# Altium PCB PCB1.PcbDoc (part 1 of 8) (continued)
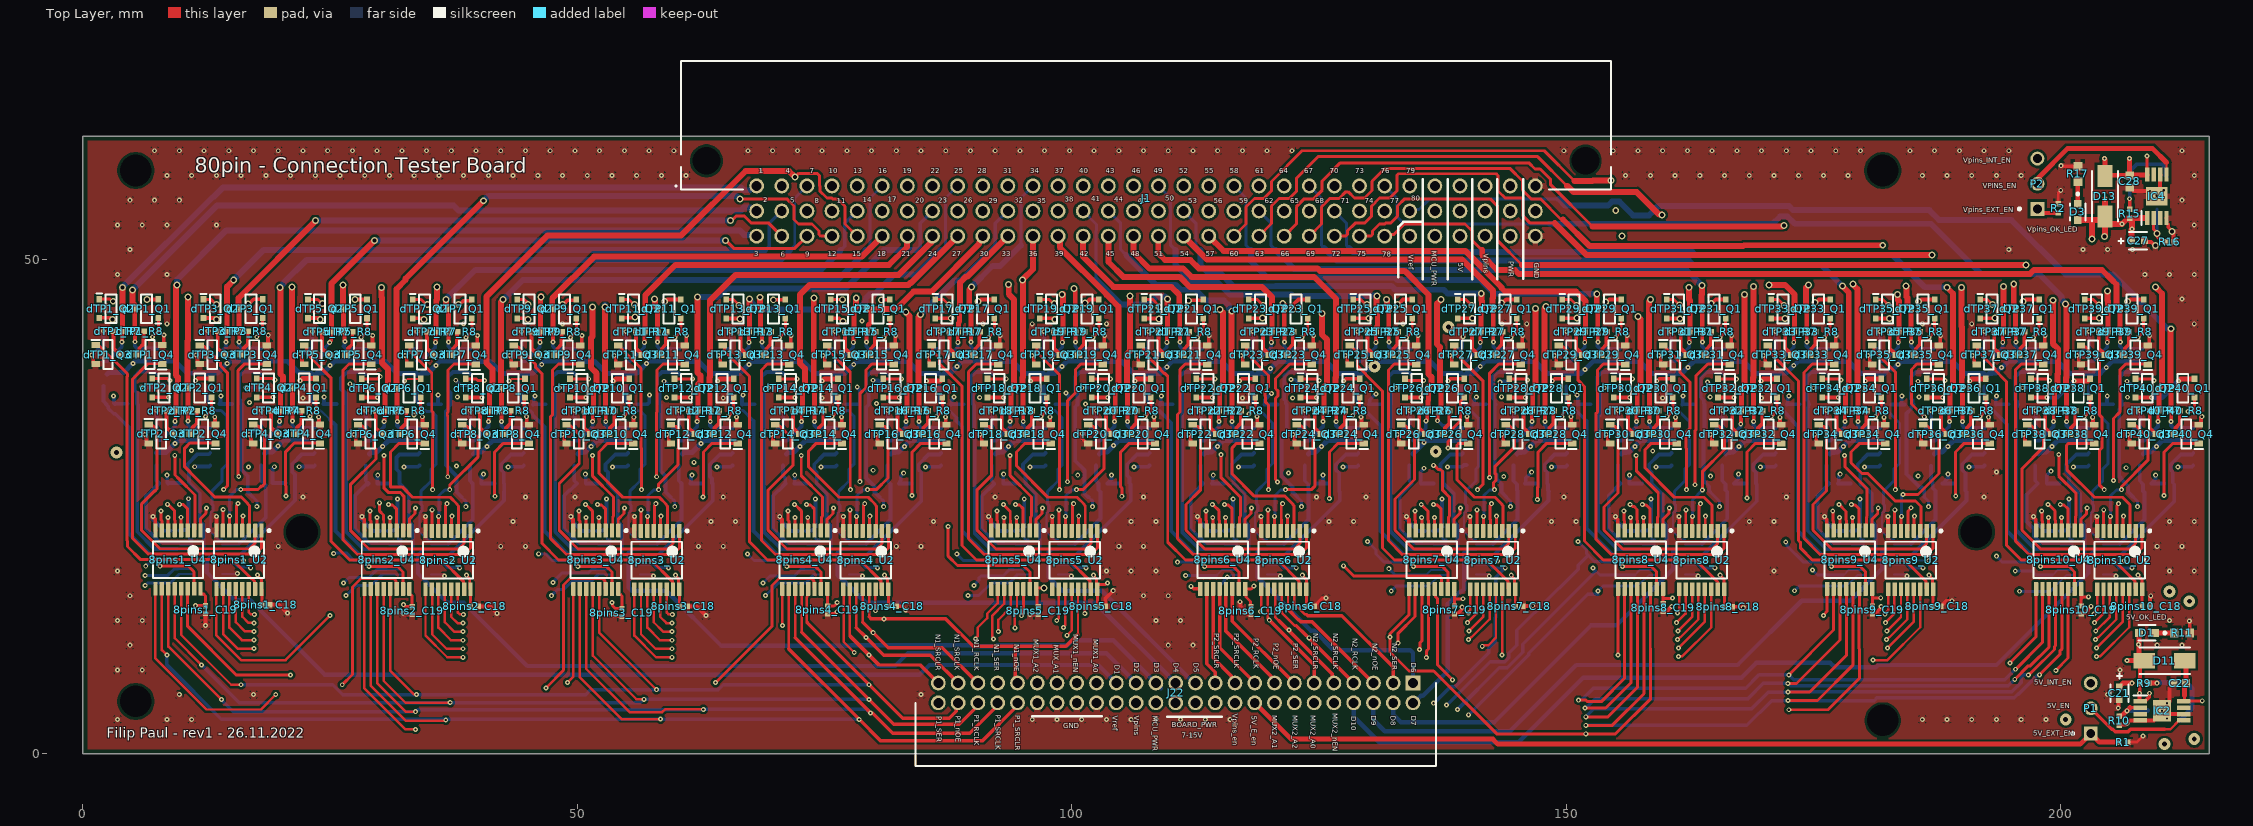
[diagram p0: Top Layer view]
## Components (designator, comment, footprint, x,y, rotation, side; value= is the part's Value field where it differs from the comment)
8pins1_C18 "100nF" "0402 CAP" 18.5,15.095 r0 top value="0.10 μF" (schematic designator C18)
8pins1_C19 "100nF" "0402 CAP" 12.4,14.595 r270 top value="0.10 μF" (schematic designator C19)
8pins1_C20 "100nF" "0402 CAP" 9.34,22.579 r0 bottom value="0.10 μF" (schematic designator C20)
8pins1_U2 "SN74AHCT595PWR" SSOT16 15.785,19.633 r270 top (schematic designator U2)
8pins1_U3 "TMUX1308QDYYRQ1" FP-DYY0016A-MFG 12.584,19.938 r180 bottom (schematic designator U3)
8pins1_U4 "SN74AHCT595PWR" SSOT16 9.613,19.662 r270 top (schematic designator U4)
8pins2_C18 "100nF" "0402 CAP" 39.598,14.94 r0 top value="0.10 μF" (schematic designator C18)
8pins2_C19 "100nF" "0402 CAP" 33.3,14.495 r270 top value="0.10 μF" (schematic designator C19)
8pins2_C20 "100nF" "0402 CAP" 30.473,22.56 r0 bottom value="0.10 μF" (schematic designator C20)
8pins2_U2 "SN74AHCT595PWR" SSOT16 36.918,19.613 r270 top (schematic designator U2)
8pins2_U3 "TMUX1308QDYYRQ1" FP-DYY0016A-MFG 33.718,19.918 r180 bottom (schematic designator U3)
8pins2_U4 "SN74AHCT595PWR" SSOT16 30.747,19.642 r270 top (schematic designator U4)
8pins3_C18 "100nF" "0402 CAP" 60.727,14.94 r0 top value="0.10 μF" (schematic designator C18)
8pins3_C19 "100nF" "0402 CAP" 54.5,14.295 r270 top value="0.10 μF" (schematic designator C19)
8pins3_C20 "100nF" "0402 CAP" 51.602,22.56 r0 bottom value="0.10 μF" (schematic designator C20)
8pins3_U2 "SN74AHCT595PWR" SSOT16 58.047,19.613 r270 top (schematic designator U2)
8pins3_U3 "TMUX1308QDYYRQ1" FP-DYY0016A-MFG 54.847,19.918 r180 bottom (schematic designator U3)
8pins3_U4 "SN74AHCT595PWR" SSOT16 51.876,19.642 r270 top (schematic designator U4)
8pins4_C18 "100nF" "0402 CAP" 81.856,14.94 r0 top value="0.10 μF" (schematic designator C18)
8pins4_C19 "100nF" "0402 CAP" 75.315,14.565 r270 top value="0.10 μF" (schematic designator C19)
8pins4_C20 "100nF" "0402 CAP" 72.731,22.56 r0 bottom value="0.10 μF" (schematic designator C20)
8pins4_U2 "SN74AHCT595PWR" SSOT16 79.176,19.613 r270 top (schematic designator U2)
8pins4_U3 "TMUX1308QDYYRQ1" FP-DYY0016A-MFG 75.976,19.918 r180 bottom (schematic designator U3)
8pins4_U4 "SN74AHCT595PWR" SSOT16 73.005,19.642 r270 top (schematic designator U4)
8pins5_C18 "100nF" "0402 CAP" 102.985,14.94 r0 top value="0.10 μF" (schematic designator C18)
8pins5_C19 "100nF" "0402 CAP" 96.6,14.495 r270 top value="0.10 μF" (schematic designator C19)
8pins5_C20 "100nF" "0402 CAP" 93.86,22.56 r0 bottom value="0.10 μF" (schematic designator C20)
8pins5_U2 "SN74AHCT595PWR" SSOT16 100.305,19.613 r270 top (schematic designator U2)
8pins5_U3 "TMUX1308QDYYRQ1" FP-DYY0016A-MFG 97.105,19.918 r180 bottom (schematic designator U3)
8pins5_U4 "SN74AHCT595PWR" SSOT16 94.134,19.642 r270 top (schematic designator U4)
8pins6_C18 "100nF" "0402 CAP" 124.114,14.94 r0 top value="0.10 μF" (schematic designator C18)
8pins6_C19 "100nF" "0402 CAP" 118.1,14.495 r270 top value="0.10 μF" (schematic designator C19)
8pins6_C20 "100nF" "0402 CAP" 114.989,22.56 r0 bottom value="0.10 μF" (schematic designator C20)
8pins6_U2 "SN74AHCT595PWR" SSOT16 121.434,19.613 r270 top (schematic designator U2)
8pins6_U3 "TMUX1308QDYYRQ1" FP-DYY0016A-MFG 118.234,19.918 r180 bottom (schematic designator U3)
8pins6_U4 "SN74AHCT595PWR" SSOT16 115.263,19.642 r270 top (schematic designator U4)
8pins7_C18 "100nF" "0402 CAP" 145.24,14.942 r0 top value="0.10 μF" (schematic designator C18)
8pins7_C19 "100nF" "0402 CAP" 138.702,14.565 r270 top value="0.10 μF" (schematic designator C19)
8pins7_C20 "100nF" "0402 CAP" 136.118,22.56 r0 bottom value="0.10 μF" (schematic designator C20)
8pins7_U2 "SN74AHCT595PWR" SSOT16 142.563,19.613 r270 top (schematic designator U2)
8pins7_U3 "TMUX1308QDYYRQ1" FP-DYY0016A-MFG 139.363,19.918 r180 bottom (schematic designator U3)
8pins7_U4 "SN74AHCT595PWR" SSOT16 136.392,19.642 r270 top (schematic designator U4)
8pins8_C18 "100nF" "0402 CAP" 166.4,14.895 r0 top value="0.10 μF" (schematic designator C18)
8pins8_C19 "100nF" "0402 CAP" 159.8,14.795 r270 top value="0.10 μF" (schematic designator C19)
8pins8_C20 "100nF" "0402 CAP" 157.247,22.56 r0 bottom value="0.10 μF" (schematic designator C20)
8pins8_U2 "SN74AHCT595PWR" SSOT16 163.692,19.613 r270 top (schematic designator U2)
8pins8_U3 "TMUX1308QDYYRQ1" FP-DYY0016A-MFG 160.492,19.918 r180 bottom (schematic designator U3)
8pins8_U4 "SN74AHCT595PWR" SSOT16 157.521,19.642 r270 top (schematic designator U4)
8pins9_C18 "100nF" "0402 CAP" 187.498,14.942 r0 top value="0.10 μF" (schematic designator C18)
8pins9_C19 "100nF" "0402 CAP" 180.96,14.565 r270 top value="0.10 μF" (schematic designator C19)
8pins9_C20 "100nF" "0402 CAP" 178.376,22.56 r0 bottom value="0.10 μF" (schematic designator C20)
8pins9_U2 "SN74AHCT595PWR" SSOT16 184.821,19.613 r270 top (schematic designator U2)
8pins9_U3 "TMUX1308QDYYRQ1" FP-DYY0016A-MFG 181.621,19.918 r180 bottom (schematic designator U3)
8pins9_U4 "SN74AHCT595PWR" SSOT16 178.65,19.642 r270 top (schematic designator U4)
8pins10_C18 "100nF" "0402 CAP" 208.63,14.94 r0 top value="0.10 μF" (schematic designator C18)
8pins10_C19 "100nF" "0402 CAP" 202.08,14.574 r270 top value="0.10 μF" (schematic designator C19)
8pins10_C20 "100nF" "0402 CAP" 199.505,22.56 r0 bottom value="0.10 μF" (schematic designator C20)
8pins10_U2 "SN74AHCT595PWR" SSOT16 205.95,19.613 r270 top (schematic designator U2)
8pins10_U3 "TMUX1308QDYYRQ1" FP-DYY0016A-MFG 202.75,19.918 r180 bottom (schematic designator U3)
8pins10_U4 "SN74AHCT595PWR" SSOT16 199.779,19.642 r270 top (schematic designator U4)
C21 "10uF" 0603_TANTAL 205.928,6.143 r90 top
C22 "1uF 25V" 0603-CAP 212.024,7.159 r180 top
C27 "10uF" 0603_TANTAL 207.818,51.896 r180 top
C28 "1uF 25V" 0603-CAP 206.968,57.896 r270 top
D1 "LED" 0603_RED_LED 208.722,12.239 r180 top
D3 "LED" 0603_RED_LED 201.718,54.821 r270 top
D11 "SSA34HE3_A_I" DIONM5127X229N 210.5,9.445 r180 top
D13 "SSA34HE3_A_I" DIONM5127X229N 204.468,56.396 r270 top
dTP1_IC1 "LM393LVQDRQ1" SOIC127P600X175-8N 4.784,39.087 r0 bottom (schematic designator IC1)
dTP1_Q1 "P-MOSFET" SOTFL95P240X88-3N 6.434,45.037 r180 top (schematic designator Q1)
dTP1_Q2 "P-MOSFET" SOTFL95P240X88-3N 2.834,45.037 r0 top (schematic designator Q2)
dTP1_Q3 "NMOS" SOT95P240X110-3N 2.534,40.387 r0 top (schematic designator Q3)
dTP1_Q4 "NMOS" SOT95P240X110-3N 6.784,40.387 r180 top (schematic designator Q4)
dTP1_R5 "2k2" RESC1005X40X25NL05T05 2.784,35.387 r180 bottom (schematic designator R5)
dTP1_R6 "2k2" RESC1005X40X25NL05T05 5.034,35.387 r0 bottom (schematic designator R6)
dTP1_R7 "470R 1%" RESC1005X40X25NL05T05 3.534,42.737 r180 top (schematic designator R7)
dTP1_R8 "470R 1%" RESC1005X40X25NL05T05 5.734,42.737 r0 top (schematic designator R8)
dTP2_IC1 "LM393LVQDRQ1" SOIC127P600X175-8N 10.159,31.066 r0 bottom (schematic designator IC1)
dTP2_Q1 "P-MOSFET" SOTFL95P240X88-3N 11.809,37.016 r180 top (schematic designator Q1)
dTP2_Q2 "P-MOSFET" SOTFL95P240X88-3N 8.209,37.016 r0 top (schematic designator Q2)
dTP2_Q3 "NMOS" SOT95P240X110-3N 7.909,32.366 r0 top (schematic designator Q3)
dTP2_Q4 "NMOS" SOT95P240X110-3N 12.159,32.366 r180 top (schematic designator Q4)
dTP2_R5 "2k2" RESC1005X40X25NL05T05 8.159,27.366 r180 bottom (schematic designator R5)
dTP2_R6 "2k2" RESC1005X40X25NL05T05 10.357,27.39 r0 bottom (schematic designator R6)
dTP2_R7 "470R 1%" RESC1005X40X25NL05T05 8.909,34.716 r180 top (schematic designator R7)
dTP2_R8 "470R 1%" RESC1005X40X25NL05T05 11.109,34.716 r0 top (schematic designator R8)
dTP3_IC1 "LM393LVQDRQ1" SOIC127P600X175-8N 15.332,39.079 r0 bottom (schematic designator IC1)
dTP3_Q1 "P-MOSFET" SOTFL95P240X88-3N 16.982,45.029 r180 top (schematic designator Q1)
dTP3_Q2 "P-MOSFET" SOTFL95P240X88-3N 13.382,45.029 r0 top (schematic designator Q2)
dTP3_Q3 "NMOS" SOT95P240X110-3N 13.082,40.379 r0 top (schematic designator Q3)
dTP3_Q4 "NMOS" SOT95P240X110-3N 17.332,40.379 r180 top (schematic designator Q4)
dTP3_R5 "2k2" RESC1005X40X25NL05T05 13.332,35.379 r180 bottom (schematic designator R5)
dTP3_R6 "2k2" RESC1005X40X25NL05T05 15.582,35.379 r0 bottom (schematic designator R6)
dTP3_R7 "470R 1%" RESC1005X40X25NL05T05 14.082,42.729 r180 top (schematic designator R7)
dTP3_R8 "470R 1%" RESC1005X40X25NL05T05 16.282,42.729 r0 top (schematic designator R8)
dTP4_IC1 "LM393LVQDRQ1" SOIC127P600X175-8N 20.726,31.066 r0 bottom (schematic designator IC1)
dTP4_Q1 "P-MOSFET" SOTFL95P240X88-3N 22.376,37.016 r180 top (schematic designator Q1)
dTP4_Q2 "P-MOSFET" SOTFL95P240X88-3N 18.776,37.016 r0 top (schematic designator Q2)
dTP4_Q3 "NMOS" SOT95P240X110-3N 18.476,32.366 r0 top (schematic designator Q3)
dTP4_Q4 "NMOS" SOT95P240X110-3N 22.726,32.366 r180 top (schematic designator Q4)
dTP4_R5 "2k2" RESC1005X40X25NL05T05 18.726,27.366 r180 bottom (schematic designator R5)
dTP4_R6 "2k2" RESC1005X40X25NL05T05 20.976,27.366 r0 bottom (schematic designator R6)
dTP4_R7 "470R 1%" RESC1005X40X25NL05T05 19.476,34.716 r180 top (schematic designator R7)
dTP4_R8 "470R 1%" RESC1005X40X25NL05T05 21.676,34.716 r0 top (schematic designator R8)
dTP5_IC1 "LM393LVQDRQ1" SOIC127P600X175-8N 25.891,39.059 r0 bottom (schematic designator IC1)
dTP5_Q1 "P-MOSFET" SOTFL95P240X88-3N 27.541,45.009 r180 top (schematic designator Q1)
dTP5_Q2 "P-MOSFET" SOTFL95P240X88-3N 23.941,45.009 r0 top (schematic designator Q2)
dTP5_Q3 "NMOS" SOT95P240X110-3N 23.641,40.359 r0 top (schematic designator Q3)
dTP5_Q4 "NMOS" SOT95P240X110-3N 27.891,40.359 r180 top (schematic designator Q4)
dTP5_R5 "2k2" RESC1005X40X25NL05T05 23.891,35.359 r180 bottom (schematic designator R5)
dTP5_R6 "2k2" RESC1005X40X25NL05T05 26.141,35.359 r0 bottom (schematic designator R6)
dTP5_R7 "470R 1%" RESC1005X40X25NL05T05 24.641,42.709 r180 top (schematic designator R7)
dTP5_R8 "470R 1%" RESC1005X40X25NL05T05 26.841,42.709 r0 top (schematic designator R8)
dTP6_IC1 "LM393LVQDRQ1" SOIC127P600X175-8N 31.319,31.04 r0 bottom (schematic designator IC1)
dTP6_Q1 "P-MOSFET" SOTFL95P240X88-3N 32.969,36.99 r180 top (schematic designator Q1)
dTP6_Q2 "P-MOSFET" SOTFL95P240X88-3N 29.369,36.99 r0 top (schematic designator Q2)
dTP6_Q3 "NMOS" SOT95P240X110-3N 29.069,32.34 r0 top (schematic designator Q3)
dTP6_Q4 "NMOS" SOT95P240X110-3N 33.319,32.34 r180 top (schematic designator Q4)
dTP6_R5 "2k2" RESC1005X40X25NL05T05 29.319,27.34 r180 bottom (schematic designator R5)
dTP6_R6 "2k2" RESC1005X40X25NL05T05 31.569,27.34 r0 bottom (schematic designator R6)
dTP6_R7 "470R 1%" RESC1005X40X25NL05T05 30.069,34.69 r180 top (schematic designator R7)
dTP6_R8 "470R 1%" RESC1005X40X25NL05T05 32.269,34.69 r0 top (schematic designator R8)
dTP7_IC1 "LM393LVQDRQ1" SOIC127P600X175-8N 36.49,39.053 r0 bottom (schematic designator IC1)
dTP7_Q1 "P-MOSFET" SOTFL95P240X88-3N 38.14,45.003 r180 top (schematic designator Q1)
dTP7_Q2 "P-MOSFET" SOTFL95P240X88-3N 34.54,45.003 r0 top (schematic designator Q2)
dTP7_Q3 "NMOS" SOT95P240X110-3N 34.24,40.353 r0 top (schematic designator Q3)
dTP7_Q4 "NMOS" SOT95P240X110-3N 38.49,40.353 r180 top (schematic designator Q4)
dTP7_R5 "2k2" RESC1005X40X25NL05T05 34.49,35.353 r180 bottom (schematic designator R5)
dTP7_R6 "2k2" RESC1005X40X25NL05T05 36.74,35.353 r0 bottom (schematic designator R6)
dTP7_R7 "470R 1%" RESC1005X40X25NL05T05 35.24,42.703 r180 top (schematic designator R7)
dTP7_R8 "470R 1%" RESC1005X40X25NL05T05 37.44,42.703 r0 top (schematic designator R8)
dTP8_IC1 "LM393LVQDRQ1" SOIC127P600X175-8N 41.86,31.04 r0 bottom (schematic designator IC1)
dTP8_Q1 "P-MOSFET" SOTFL95P240X88-3N 43.51,36.99 r180 top (schematic designator Q1)
dTP8_Q2 "P-MOSFET" SOTFL95P240X88-3N 39.91,36.99 r0 top (schematic designator Q2)
dTP8_Q3 "NMOS" SOT95P240X110-3N 39.61,32.34 r0 top (schematic designator Q3)
dTP8_Q4 "NMOS" SOT95P240X110-3N 43.86,32.34 r180 top (schematic designator Q4)
dTP8_R5 "2k2" RESC1005X40X25NL05T05 39.86,27.34 r180 bottom (schematic designator R5)
dTP8_R6 "2k2" RESC1005X40X25NL05T05 42.11,27.34 r0 bottom (schematic designator R6)
dTP8_R7 "470R 1%" RESC1005X40X25NL05T05 40.61,34.69 r180 top (schematic designator R7)
dTP8_R8 "470R 1%" RESC1005X40X25NL05T05 42.81,34.69 r0 top (schematic designator R8)
dTP9_IC1 "LM393LVQDRQ1" SOIC127P600X175-8N 47.056,39.053 r0 bottom (schematic designator IC1)
dTP9_Q1 "P-MOSFET" SOTFL95P240X88-3N 48.706,45.003 r180 top (schematic designator Q1)
dTP9_Q2 "P-MOSFET" SOTFL95P240X88-3N 45.106,45.003 r0 top (schematic designator Q2)
dTP9_Q3 "NMOS" SOT95P240X110-3N 44.806,40.353 r0 top (schematic designator Q3)
dTP9_Q4 "NMOS" SOT95P240X110-3N 49.056,40.353 r180 top (schematic designator Q4)
dTP9_R5 "2k2" RESC1005X40X25NL05T05 45.056,35.353 r180 bottom (schematic designator R5)
dTP9_R6 "2k2" RESC1005X40X25NL05T05 47.306,35.353 r0 bottom (schematic designator R6)
dTP9_R7 "470R 1%" RESC1005X40X25NL05T05 45.806,42.703 r180 top (schematic designator R7)
dTP9_R8 "470R 1%" RESC1005X40X25NL05T05 48.006,42.703 r0 top (schematic designator R8)
dTP10_IC1 "LM393LVQDRQ1" SOIC127P600X175-8N 52.401,31.04 r0 bottom (schematic designator IC1)
dTP10_Q1 "P-MOSFET" SOTFL95P240X88-3N 54.051,36.99 r180 top (schematic designator Q1)
dTP10_Q2 "P-MOSFET" SOTFL95P240X88-3N 50.451,36.99 r0 top (schematic designator Q2)
dTP10_Q3 "NMOS" SOT95P240X110-3N 50.151,32.34 r0 top (schematic designator Q3)
dTP10_Q4 "NMOS" SOT95P240X110-3N 54.401,32.34 r180 top (schematic designator Q4)
dTP10_R5 "2k2" RESC1005X40X25NL05T05 50.401,27.34 r180 bottom (schematic designator R5)
dTP10_R6 "2k2" RESC1005X40X25NL05T05 52.651,27.34 r0 bottom (schematic designator R6)
dTP10_R7 "470R 1%" RESC1005X40X25NL05T05 51.151,34.69 r180 top (schematic designator R7)
dTP10_R8 "470R 1%" RESC1005X40X25NL05T05 53.351,34.69 r0 top (schematic designator R8)
dTP11_IC1 "LM393LVQDRQ1" SOIC127P600X175-8N 57.623,39.053 r0 bottom (schematic designator IC1)
dTP11_Q1 "P-MOSFET" SOTFL95P240X88-3N 59.273,45.003 r180 top (schematic designator Q1)
dTP11_Q2 "P-MOSFET" SOTFL95P240X88-3N 55.673,45.003 r0 top (schematic designator Q2)
dTP11_Q3 "NMOS" SOT95P240X110-3N 55.373,40.353 r0 top (schematic designator Q3)
dTP11_Q4 "NMOS" SOT95P240X110-3N 59.623,40.353 r180 top (schematic designator Q4)
dTP11_R5 "2k2" RESC1005X40X25NL05T05 55.623,35.353 r180 bottom (schematic designator R5)
dTP11_R6 "2k2" RESC1005X40X25NL05T05 57.873,35.353 r0 bottom (schematic designator R6)
dTP11_R7 "470R 1%" RESC1005X40X25NL05T05 56.373,42.703 r180 top (schematic designator R7)
dTP11_R8 "470R 1%" RESC1005X40X25NL05T05 58.573,42.703 r0 top (schematic designator R8)
dTP12_IC1 "LM393LVQDRQ1" SOIC127P600X175-8N 62.967,31.04 r0 bottom (schematic designator IC1)
dTP12_Q1 "P-MOSFET" SOTFL95P240X88-3N 64.617,36.99 r180 top (schematic designator Q1)
dTP12_Q2 "P-MOSFET" SOTFL95P240X88-3N 61.017,36.99 r0 top (schematic designator Q2)
dTP12_Q3 "NMOS" SOT95P240X110-3N 60.717,32.34 r0 top (schematic designator Q3)
dTP12_Q4 "NMOS" SOT95P240X110-3N 64.967,32.34 r180 top (schematic designator Q4)
dTP12_R5 "2k2" RESC1005X40X25NL05T05 60.967,27.34 r180 bottom (schematic designator R5)
dTP12_R6 "2k2" RESC1005X40X25NL05T05 63.217,27.34 r0 bottom (schematic designator R6)
dTP12_R7 "470R 1%" RESC1005X40X25NL05T05 61.717,34.69 r180 top (schematic designator R7)
dTP12_R8 "470R 1%" RESC1005X40X25NL05T05 63.917,34.69 r0 top (schematic designator R8)
dTP13_IC1 "LM393LVQDRQ1" SOIC127P600X175-8N 68.189,39.053 r0 bottom (schematic designator IC1)
dTP13_Q1 "P-MOSFET" SOTFL95P240X88-3N 69.839,45.003 r180 top (schematic designator Q1)
dTP13_Q2 "P-MOSFET" SOTFL95P240X88-3N 66.239,45.003 r0 top (schematic designator Q2)
dTP13_Q3 "NMOS" SOT95P240X110-3N 65.939,40.353 r0 top (schematic designator Q3)
dTP13_Q4 "NMOS" SOT95P240X110-3N 70.189,40.353 r180 top (schematic designator Q4)
dTP13_R5 "2k2" RESC1005X40X25NL05T05 66.189,35.353 r180 bottom (schematic designator R5)
dTP13_R6 "2k2" RESC1005X40X25NL05T05 68.439,35.353 r0 bottom (schematic designator R6)
dTP13_R7 "470R 1%" RESC1005X40X25NL05T05 66.939,42.703 r180 top (schematic designator R7)
dTP13_R8 "470R 1%" RESC1005X40X25NL05T05 69.139,42.703 r0 top (schematic designator R8)
dTP14_IC1 "LM393LVQDRQ1" SOIC127P600X175-8N 73.508,31.04 r0 bottom (schematic designator IC1)
dTP14_Q1 "P-MOSFET" SOTFL95P240X88-3N 75.158,36.99 r180 top (schematic designator Q1)
dTP14_Q2 "P-MOSFET" SOTFL95P240X88-3N 71.558,36.99 r0 top (schematic designator Q2)
dTP14_Q3 "NMOS" SOT95P240X110-3N 71.258,32.34 r0 top (schematic designator Q3)
dTP14_Q4 "NMOS" SOT95P240X110-3N 75.508,32.34 r180 top (schematic designator Q4)
dTP14_R5 "2k2" RESC1005X40X25NL05T05 71.508,27.34 r180 bottom (schematic designator R5)
dTP14_R6 "2k2" RESC1005X40X25NL05T05 73.758,27.34 r0 bottom (schematic designator R6)
dTP14_R7 "470R 1%" RESC1005X40X25NL05T05 72.258,34.69 r180 top (schematic designator R7)
dTP14_R8 "470R 1%" RESC1005X40X25NL05T05 74.458,34.69 r0 top (schematic designator R8)
dTP15_IC1 "LM393LVQDRQ1" SOIC127P600X175-8N 78.756,39.053 r0 bottom (schematic designator IC1)
dTP15_Q1 "P-MOSFET" SOTFL95P240X88-3N 80.406,45.003 r180 top (schematic designator Q1)
dTP15_Q2 "P-MOSFET" SOTFL95P240X88-3N 76.806,45.003 r0 top (schematic designator Q2)
dTP15_Q3 "NMOS" SOT95P240X110-3N 76.506,40.353 r0 top (schematic designator Q3)
dTP15_Q4 "NMOS" SOT95P240X110-3N 80.756,40.353 r180 top (schematic designator Q4)
dTP15_R5 "2k2" RESC1005X40X25NL05T05 76.756,35.353 r180 bottom (schematic designator R5)
dTP15_R6 "2k2" RESC1005X40X25NL05T05 79.006,35.353 r0 bottom (schematic designator R6)
dTP15_R7 "470R 1%" RESC1005X40X25NL05T05 77.506,42.703 r180 top (schematic designator R7)
dTP15_R8 "470R 1%" RESC1005X40X25NL05T05 79.706,42.703 r0 top (schematic designator R8)
dTP16_IC1 "LM393LVQDRQ1" SOIC127P600X175-8N 84.074,31.04 r0 bottom (schematic designator IC1)
dTP16_Q1 "P-MOSFET" SOTFL95P240X88-3N 85.724,36.99 r180 top (schematic designator Q1)
dTP16_Q2 "P-MOSFET" SOTFL95P240X88-3N 82.124,36.99 r0 top (schematic designator Q2)
dTP16_Q3 "NMOS" SOT95P240X110-3N 81.824,32.34 r0 top (schematic designator Q3)
dTP16_Q4 "NMOS" SOT95P240X110-3N 86.074,32.34 r180 top (schematic designator Q4)
dTP16_R5 "2k2" RESC1005X40X25NL05T05 82.074,27.34 r180 bottom (schematic designator R5)
dTP16_R6 "2k2" RESC1005X40X25NL05T05 84.324,27.34 r0 bottom (schematic designator R6)
dTP16_R7 "470R 1%" RESC1005X40X25NL05T05 82.824,34.69 r180 top (schematic designator R7)
dTP16_R8 "470R 1%" RESC1005X40X25NL05T05 85.024,34.69 r0 top (schematic designator R8)
dTP17_IC1 "LM393LVQDRQ1" SOIC127P600X175-8N 89.322,39.053 r0 bottom (schematic designator IC1)
dTP17_Q1 "P-MOSFET" SOTFL95P240X88-3N 90.972,45.003 r180 top (schematic designator Q1)
dTP17_Q2 "P-MOSFET" SOTFL95P240X88-3N 87.372,45.003 r0 top (schematic designator Q2)
dTP17_Q3 "NMOS" SOT95P240X110-3N 87.072,40.353 r0 top (schematic designator Q3)
dTP17_Q4 "NMOS" SOT95P240X110-3N 91.322,40.353 r180 top (schematic designator Q4)
dTP17_R5 "2k2" RESC1005X40X25NL05T05 87.322,35.353 r180 bottom (schematic designator R5)
dTP17_R6 "2k2" RESC1005X40X25NL05T05 89.572,35.353 r0 bottom (schematic designator R6)
dTP17_R7 "470R 1%" RESC1005X40X25NL05T05 88.072,42.703 r180 top (schematic designator R7)
dTP17_R8 "470R 1%" RESC1005X40X25NL05T05 90.272,42.703 r0 top (schematic designator R8)
dTP18_IC1 "LM393LVQDRQ1" SOIC127P600X175-8N 94.615,31.04 r0 bottom (schematic designator IC1)
dTP18_Q1 "P-MOSFET" SOTFL95P240X88-3N 96.265,36.99 r180 top (schematic designator Q1)
dTP18_Q2 "P-MOSFET" SOTFL95P240X88-3N 92.665,36.99 r0 top (schematic designator Q2)
dTP18_Q3 "NMOS" SOT95P240X110-3N 92.365,32.34 r0 top (schematic designator Q3)
dTP18_Q4 "NMOS" SOT95P240X110-3N 96.615,32.34 r180 top (schematic designator Q4)
dTP18_R5 "2k2" RESC1005X40X25NL05T05 92.615,27.34 r180 bottom (schematic designator R5)
dTP18_R6 "2k2" RESC1005X40X25NL05T05 94.865,27.34 r0 bottom (schematic designator R6)
dTP18_R7 "470R 1%" RESC1005X40X25NL05T05 93.365,34.69 r180 top (schematic designator R7)
dTP18_R8 "470R 1%" RESC1005X40X25NL05T05 95.565,34.69 r0 top (schematic designator R8)
dTP19_IC1 "LM393LVQDRQ1" SOIC127P600X175-8N 99.888,39.053 r0 bottom (schematic designator IC1)
dTP19_Q1 "P-MOSFET" SOTFL95P240X88-3N 101.538,45.003 r180 top (schematic designator Q1)
dTP19_Q2 "P-MOSFET" SOTFL95P240X88-3N 97.938,45.003 r0 top (schematic designator Q2)
dTP19_Q3 "NMOS" SOT95P240X110-3N 97.638,40.353 r0 top (schematic designator Q3)
dTP19_Q4 "NMOS" SOT95P240X110-3N 101.888,40.353 r180 top (schematic designator Q4)
dTP19_R5 "2k2" RESC1005X40X25NL05T05 97.888,35.353 r180 bottom (schematic designator R5)
dTP19_R6 "2k2" RESC1005X40X25NL05T05 100.138,35.353 r0 bottom (schematic designator R6)
dTP19_R7 "470R 1%" RESC1005X40X25NL05T05 98.638,42.703 r180 top (schematic designator R7)
dTP19_R8 "470R 1%" RESC1005X40X25NL05T05 100.838,42.703 r0 top (schematic designator R8)
dTP20_IC1 "LM393LVQDRQ1" SOIC127P600X175-8N 105.156,31.04 r0 bottom (schematic designator IC1)
dTP20_Q1 "P-MOSFET" SOTFL95P240X88-3N 106.806,36.99 r180 top (schematic designator Q1)
dTP20_Q2 "P-MOSFET" SOTFL95P240X88-3N 103.206,36.99 r0 top (schematic designator Q2)
dTP20_Q3 "NMOS" SOT95P240X110-3N 102.906,32.34 r0 top (schematic designator Q3)
dTP20_Q4 "NMOS" SOT95P240X110-3N 107.156,32.34 r180 top (schematic designator Q4)
dTP20_R5 "2k2" RESC1005X40X25NL05T05 103.156,27.34 r180 bottom (schematic designator R5)
dTP20_R6 "2k2" RESC1005X40X25NL05T05 105.406,27.34 r0 bottom (schematic designator R6)
dTP20_R7 "470R 1%" RESC1005X40X25NL05T05 103.906,34.69 r180 top (schematic designator R7)
dTP20_R8 "470R 1%" RESC1005X40X25NL05T05 106.106,34.69 r0 top (schematic designator R8)
dTP21_IC1 "LM393LVQDRQ1" SOIC127P600X175-8N 110.455,39.053 r0 bottom (schematic designator IC1)
dTP21_Q1 "P-MOSFET" SOTFL95P240X88-3N 112.105,45.003 r180 top (schematic designator Q1)
dTP21_Q2 "P-MOSFET" SOTFL95P240X88-3N 108.505,45.003 r0 top (schematic designator Q2)
dTP21_Q3 "NMOS" SOT95P240X110-3N 108.205,40.353 r0 top (schematic designator Q3)
dTP21_Q4 "NMOS" SOT95P240X110-3N 112.455,40.353 r180 top (schematic designator Q4)
dTP21_R5 "2k2" RESC1005X40X25NL05T05 108.455,35.353 r180 bottom (schematic designator R5)
dTP21_R6 "2k2" RESC1005X40X25NL05T05 110.705,35.353 r0 bottom (schematic designator R6)
dTP21_R7 "470R 1%" RESC1005X40X25NL05T05 109.205,42.703 r180 top (schematic designator R7)
dTP21_R8 "470R 1%" RESC1005X40X25NL05T05 111.405,42.703 r0 top (schematic designator R8)
dTP22_IC1 "LM393LVQDRQ1" SOIC127P600X175-8N 115.723,31.04 r0 bottom (schematic designator IC1)
dTP22_Q1 "P-MOSFET" SOTFL95P240X88-3N 117.373,36.99 r180 top (schematic designator Q1)
dTP22_Q2 "P-MOSFET" SOTFL95P240X88-3N 113.773,36.99 r0 top (schematic designator Q2)
dTP22_Q3 "NMOS" SOT95P240X110-3N 113.473,32.34 r0 top (schematic designator Q3)
dTP22_Q4 "NMOS" SOT95P240X110-3N 117.723,32.34 r180 top (schematic designator Q4)
dTP22_R5 "2k2" RESC1005X40X25NL05T05 113.723,27.34 r180 bottom (schematic designator R5)
dTP22_R6 "2k2" RESC1005X40X25NL05T05 115.973,27.34 r0 bottom (schematic designator R6)
dTP22_R7 "470R 1%" RESC1005X40X25NL05T05 114.473,34.69 r180 top (schematic designator R7)
dTP22_R8 "470R 1%" RESC1005X40X25NL05T05 116.673,34.69 r0 top (schematic designator R8)
dTP23_IC1 "LM393LVQDRQ1" SOIC127P600X175-8N 121.021,39.053 r0 bottom (schematic designator IC1)
dTP23_Q1 "P-MOSFET" SOTFL95P240X88-3N 122.671,45.003 r180 top (schematic designator Q1)
dTP23_Q2 "P-MOSFET" SOTFL95P240X88-3N 119.071,45.003 r0 top (schematic designator Q2)
dTP23_Q3 "NMOS" SOT95P240X110-3N 118.771,40.353 r0 top (schematic designator Q3)
dTP23_Q4 "NMOS" SOT95P240X110-3N 123.021,40.353 r180 top (schematic designator Q4)
dTP23_R5 "2k2" RESC1005X40X25NL05T05 119.021,35.353 r180 bottom (schematic designator R5)
dTP23_R6 "2k2" RESC1005X40X25NL05T05 121.271,35.353 r0 bottom (schematic designator R6)
dTP23_R7 "470R 1%" RESC1005X40X25NL05T05 119.771,42.703 r180 top (schematic designator R7)
dTP23_R8 "470R 1%" RESC1005X40X25NL05T05 121.971,42.703 r0 top (schematic designator R8)
dTP24_IC1 "LM393LVQDRQ1" SOIC127P600X175-8N 126.264,31.04 r0 bottom (schematic designator IC1)
dTP24_Q1 "P-MOSFET" SOTFL95P240X88-3N 127.914,36.99 r180 top (schematic designator Q1)
dTP24_Q2 "P-MOSFET" SOTFL95P240X88-3N 124.314,36.99 r0 top (schematic designator Q2)
dTP24_Q3 "NMOS" SOT95P240X110-3N 124.014,32.34 r0 top (schematic designator Q3)
dTP24_Q4 "NMOS" SOT95P240X110-3N 128.264,32.34 r180 top (schematic designator Q4)
dTP24_R5 "2k2" RESC1005X40X25NL05T05 124.264,27.34 r180 bottom (schematic designator R5)
dTP24_R6 "2k2" RESC1005X40X25NL05T05 126.514,27.34 r0 bottom (schematic designator R6)
dTP24_R7 "470R 1%" RESC1005X40X25NL05T05 125.014,34.69 r180 top (schematic designator R7)
dTP24_R8 "470R 1%" RESC1005X40X25NL05T05 127.214,34.69 r0 top (schematic designator R8)
dTP25_IC1 "LM393LVQDRQ1" SOIC127P600X175-8N 131.588,39.053 r0 bottom (schematic designator IC1)
dTP25_Q1 "P-MOSFET" SOTFL95P240X88-3N 133.238,45.003 r180 top (schematic designator Q1)
dTP25_Q2 "P-MOSFET" SOTFL95P240X88-3N 129.638,45.003 r0 top (schematic designator Q2)
dTP25_Q3 "NMOS" SOT95P240X110-3N 129.338,40.353 r0 top (schematic designator Q3)
dTP25_Q4 "NMOS" SOT95P240X110-3N 133.588,40.353 r180 top (schematic designator Q4)
dTP25_R5 "2k2" RESC1005X40X25NL05T05 129.588,35.353 r180 bottom (schematic designator R5)
dTP25_R6 "2k2" RESC1005X40X25NL05T05 131.838,35.353 r0 bottom (schematic designator R6)
dTP25_R7 "470R 1%" RESC1005X40X25NL05T05 130.338,42.703 r180 top (schematic designator R7)
dTP25_R8 "470R 1%" RESC1005X40X25NL05T05 132.538,42.703 r0 top (schematic designator R8)
dTP26_IC1 "LM393LVQDRQ1" SOIC127P600X175-8N 136.83,31.04 r0 bottom (schematic designator IC1)
dTP26_Q1 "P-MOSFET" SOTFL95P240X88-3N 138.48,36.99 r180 top (schematic designator Q1)
dTP26_Q2 "P-MOSFET" SOTFL95P240X88-3N 134.88,36.99 r0 top (schematic designator Q2)
dTP26_Q3 "NMOS" SOT95P240X110-3N 134.58,32.34 r0 top (schematic designator Q3)
dTP26_Q4 "NMOS" SOT95P240X110-3N 138.83,32.34 r180 top (schematic designator Q4)
dTP26_R5 "2k2" RESC1005X40X25NL05T05 134.83,27.34 r180 bottom (schematic designator R5)
dTP26_R6 "2k2" RESC1005X40X25NL05T05 137.08,27.34 r0 bottom (schematic designator R6)
dTP26_R7 "470R 1%" RESC1005X40X25NL05T05 135.58,34.69 r180 top (schematic designator R7)
dTP26_R8 "470R 1%" RESC1005X40X25NL05T05 137.78,34.69 r0 top (schematic designator R8)
dTP27_IC1 "LM393LVQDRQ1" SOIC127P600X175-8N 142.154,39.053 r0 bottom (schematic designator IC1)
dTP27_Q1 "P-MOSFET" SOTFL95P240X88-3N 143.804,45.003 r180 top (schematic designator Q1)
dTP27_Q2 "P-MOSFET" SOTFL95P240X88-3N 140.204,45.003 r0 top (schematic designator Q2)
dTP27_Q3 "NMOS" SOT95P240X110-3N 139.904,40.353 r0 top (schematic designator Q3)
dTP27_Q4 "NMOS" SOT95P240X110-3N 144.154,40.353 r180 top (schematic designator Q4)
dTP27_R5 "2k2" RESC1005X40X25NL05T05 140.154,35.353 r180 bottom (schematic designator R5)
dTP27_R6 "2k2" RESC1005X40X25NL05T05 142.404,35.353 r0 bottom (schematic designator R6)
dTP27_R7 "470R 1%" RESC1005X40X25NL05T05 140.904,42.703 r180 top (schematic designator R7)
dTP27_R8 "470R 1%" RESC1005X40X25NL05T05 143.104,42.703 r0 top (schematic designator R8)
dTP28_IC1 "LM393LVQDRQ1" SOIC127P600X175-8N 147.371,31.04 r0 bottom (schematic designator IC1)
dTP28_Q1 "P-MOSFET" SOTFL95P240X88-3N 149.021,36.99 r180 top (schematic designator Q1)
dTP28_Q2 "P-MOSFET" SOTFL95P240X88-3N 145.421,36.99 r0 top (schematic designator Q2)
dTP28_Q3 "NMOS" SOT95P240X110-3N 145.121,32.34 r0 top (schematic designator Q3)
dTP28_Q4 "NMOS" SOT95P240X110-3N 149.371,32.34 r180 top (schematic designator Q4)
dTP28_R5 "2k2" RESC1005X40X25NL05T05 145.371,27.34 r180 bottom (schematic designator R5)
dTP28_R6 "2k2" RESC1005X40X25NL05T05 147.621,27.34 r0 bottom (schematic designator R6)
dTP28_R7 "470R 1%" RESC1005X40X25NL05T05 146.121,34.69 r180 top (schematic designator R7)
dTP28_R8 "470R 1%" RESC1005X40X25NL05T05 148.321,34.69 r0 top (schematic designator R8)
dTP29_IC1 "LM393LVQDRQ1" SOIC127P600X175-8N 152.72,39.053 r0 bottom (schematic designator IC1)
dTP29_Q1 "P-MOSFET" SOTFL95P240X88-3N 154.37,45.003 r180 top (schematic designator Q1)
dTP29_Q2 "P-MOSFET" SOTFL95P240X88-3N 150.77,45.003 r0 top (schematic designator Q2)
dTP29_Q3 "NMOS" SOT95P240X110-3N 150.47,40.353 r0 top (schematic designator Q3)
dTP29_Q4 "NMOS" SOT95P240X110-3N 154.72,40.353 r180 top (schematic designator Q4)
dTP29_R5 "2k2" RESC1005X40X25NL05T05 150.72,35.353 r180 bottom (schematic designator R5)
dTP29_R6 "2k2" RESC1005X40X25NL05T05 152.97,35.353 r0 bottom (schematic designator R6)
dTP29_R7 "470R 1%" RESC1005X40X25NL05T05 151.47,42.703 r180 top (schematic designator R7)
dTP29_R8 "470R 1%" RESC1005X40X25NL05T05 153.67,42.703 r0 top (schematic designator R8)
dTP30_IC1 "LM393LVQDRQ1" SOIC127P600X175-8N 157.938,31.04 r0 bottom (schematic designator IC1)
dTP30_Q1 "P-MOSFET" SOTFL95P240X88-3N 159.588,36.99 r180 top (schematic designator Q1)
dTP30_Q2 "P-MOSFET" SOTFL95P240X88-3N 155.988,36.99 r0 top (schematic designator Q2)
dTP30_Q3 "NMOS" SOT95P240X110-3N 155.688,32.34 r0 top (schematic designator Q3)
dTP30_Q4 "NMOS" SOT95P240X110-3N 159.938,32.34 r180 top (schematic designator Q4)
dTP30_R5 "2k2" RESC1005X40X25NL05T05 155.938,27.34 r180 bottom (schematic designator R5)
dTP30_R6 "2k2" RESC1005X40X25NL05T05 158.188,27.34 r0 bottom (schematic designator R6)
dTP30_R7 "470R 1%" RESC1005X40X25NL05T05 156.688,34.69 r180 top (schematic designator R7)
dTP30_R8 "470R 1%" RESC1005X40X25NL05T05 158.888,34.69 r0 top (schematic designator R8)
dTP31_IC1 "LM393LVQDRQ1" SOIC127P600X175-8N 163.287,39.053 r0 bottom (schematic designator IC1)
dTP31_Q1 "P-MOSFET" SOTFL95P240X88-3N 164.937,45.003 r180 top (schematic designator Q1)
dTP31_Q2 "P-MOSFET" SOTFL95P240X88-3N 161.337,45.003 r0 top (schematic designator Q2)
dTP31_Q3 "NMOS" SOT95P240X110-3N 161.037,40.353 r0 top (schematic designator Q3)
dTP31_Q4 "NMOS" SOT95P240X110-3N 165.287,40.353 r180 top (schematic designator Q4)
dTP31_R5 "2k2" RESC1005X40X25NL05T05 161.287,35.353 r180 bottom (schematic designator R5)
dTP31_R6 "2k2" RESC1005X40X25NL05T05 163.537,35.353 r0 bottom (schematic designator R6)
dTP31_R7 "470R 1%" RESC1005X40X25NL05T05 162.037,42.703 r180 top (schematic designator R7)
dTP31_R8 "470R 1%" RESC1005X40X25NL05T05 164.237,42.703 r0 top (schematic designator R8)
dTP32_IC1 "LM393LVQDRQ1" SOIC127P600X175-8N 168.479,31.04 r0 bottom (schematic designator IC1)
dTP32_Q1 "P-MOSFET" SOTFL95P240X88-3N 170.129,36.99 r180 top (schematic designator Q1)
dTP32_Q2 "P-MOSFET" SOTFL95P240X88-3N 166.529,36.99 r0 top (schematic designator Q2)
dTP32_Q3 "NMOS" SOT95P240X110-3N 166.229,32.34 r0 top (schematic designator Q3)
dTP32_Q4 "NMOS" SOT95P240X110-3N 170.479,32.34 r180 top (schematic designator Q4)
dTP32_R5 "2k2" RESC1005X40X25NL05T05 166.479,27.34 r180 bottom (schematic designator R5)
dTP32_R6 "2k2" RESC1005X40X25NL05T05 168.729,27.34 r0 bottom (schematic designator R6)
dTP32_R7 "470R 1%" RESC1005X40X25NL05T05 167.229,34.69 r180 top (schematic designator R7)
dTP32_R8 "470R 1%" RESC1005X40X25NL05T05 169.429,34.69 r0 top (schematic designator R8)
dTP33_IC1 "LM393LVQDRQ1" SOIC127P600X175-8N 173.853,39.053 r0 bottom (schematic designator IC1)
dTP33_Q1 "P-MOSFET" SOTFL95P240X88-3N 175.503,45.003 r180 top (schematic designator Q1)
dTP33_Q2 "P-MOSFET" SOTFL95P240X88-3N 171.903,45.003 r0 top (schematic designator Q2)
dTP33_Q3 "NMOS" SOT95P240X110-3N 171.603,40.353 r0 top (schematic designator Q3)
dTP33_Q4 "NMOS" SOT95P240X110-3N 175.853,40.353 r180 top (schematic designator Q4)
dTP33_R5 "2k2" RESC1005X40X25NL05T05 171.853,35.353 r180 bottom (schematic designator R5)
dTP33_R6 "2k2" RESC1005X40X25NL05T05 174.103,35.353 r0 bottom (schematic designator R6)
dTP33_R7 "470R 1%" RESC1005X40X25NL05T05 172.603,42.703 r180 top (schematic designator R7)
dTP33_R8 "470R 1%" RESC1005X40X25NL05T05 174.803,42.703 r0 top (schematic designator R8)
dTP34_IC1 "LM393LVQDRQ1" SOIC127P600X175-8N 179.02,31.04 r0 bottom (schematic designator IC1)
dTP34_Q1 "P-MOSFET" SOTFL95P240X88-3N 180.67,36.99 r180 top (schematic designator Q1)
dTP34_Q2 "P-MOSFET" SOTFL95P240X88-3N 177.07,36.99 r0 top (schematic designator Q2)
dTP34_Q3 "NMOS" SOT95P240X110-3N 176.77,32.34 r0 top (schematic designator Q3)
dTP34_Q4 "NMOS" SOT95P240X110-3N 181.02,32.34 r180 top (schematic designator Q4)
dTP34_R5 "2k2" RESC1005X40X25NL05T05 177.02,27.34 r180 bottom (schematic designator R5)
dTP34_R6 "2k2" RESC1005X40X25NL05T05 179.27,27.34 r0 bottom (schematic designator R6)
dTP34_R7 "470R 1%" RESC1005X40X25NL05T05 177.77,34.69 r180 top (schematic designator R7)
dTP34_R8 "470R 1%" RESC1005X40X25NL05T05 179.97,34.69 r0 top (schematic designator R8)
dTP35_IC1 "LM393LVQDRQ1" SOIC127P600X175-8N 184.42,39.053 r0 bottom (schematic designator IC1)
dTP35_Q1 "P-MOSFET" SOTFL95P240X88-3N 186.07,45.003 r180 top (schematic designator Q1)
dTP35_Q2 "P-MOSFET" SOTFL95P240X88-3N 182.47,45.003 r0 top (schematic designator Q2)
dTP35_Q3 "NMOS" SOT95P240X110-3N 182.17,40.353 r0 top (schematic designator Q3)
dTP35_Q4 "NMOS" SOT95P240X110-3N 186.42,40.353 r180 top (schematic designator Q4)
dTP35_R5 "2k2" RESC1005X40X25NL05T05 182.42,35.353 r180 bottom (schematic designator R5)
dTP35_R6 "2k2" RESC1005X40X25NL05T05 184.67,35.353 r0 bottom (schematic designator R6)
dTP35_R7 "470R 1%" RESC1005X40X25NL05T05 183.17,42.703 r180 top (schematic designator R7)
dTP35_R8 "470R 1%" RESC1005X40X25NL05T05 185.37,42.703 r0 top (schematic designator R8)
dTP36_IC1 "LM393LVQDRQ1" SOIC127P600X175-8N 189.586,31.04 r0 bottom (schematic designator IC1)
dTP36_Q1 "P-MOSFET" SOTFL95P240X88-3N 191.236,36.99 r180 top (schematic designator Q1)
dTP36_Q2 "P-MOSFET" SOTFL95P240X88-3N 187.636,36.99 r0 top (schematic designator Q2)
dTP36_Q3 "NMOS" SOT95P240X110-3N 187.336,32.34 r0 top (schematic designator Q3)
dTP36_Q4 "NMOS" SOT95P240X110-3N 191.586,32.34 r180 top (schematic designator Q4)
dTP36_R5 "2k2" RESC1005X40X25NL05T05 187.586,27.34 r180 bottom (schematic designator R5)
dTP36_R6 "2k2" RESC1005X40X25NL05T05 189.836,27.34 r0 bottom (schematic designator R6)
dTP36_R7 "470R 1%" RESC1005X40X25NL05T05 188.336,34.69 r180 top (schematic designator R7)
dTP36_R8 "470R 1%" RESC1005X40X25NL05T05 190.536,34.69 r0 top (schematic designator R8)
dTP37_IC1 "LM393LVQDRQ1" SOIC127P600X175-8N 194.986,39.053 r0 bottom (schematic designator IC1)
dTP37_Q1 "P-MOSFET" SOTFL95P240X88-3N 196.636,45.003 r180 top (schematic designator Q1)
dTP37_Q2 "P-MOSFET" SOTFL95P240X88-3N 193.036,45.003 r0 top (schematic designator Q2)
dTP37_Q3 "NMOS" SOT95P240X110-3N 192.736,40.353 r0 top (schematic designator Q3)
dTP37_Q4 "NMOS" SOT95P240X110-3N 196.986,40.353 r180 top (schematic designator Q4)
dTP37_R5 "2k2" RESC1005X40X25NL05T05 192.986,35.353 r180 bottom (schematic designator R5)
dTP37_R6 "2k2" RESC1005X40X25NL05T05 195.236,35.353 r0 bottom (schematic designator R6)
dTP37_R7 "470R 1%" RESC1005X40X25NL05T05 193.736,42.703 r180 top (schematic designator R7)
dTP37_R8 "470R 1%" RESC1005X40X25NL05T05 195.936,42.703 r0 top (schematic designator R8)
dTP38_IC1 "LM393LVQDRQ1" SOIC127P600X175-8N 200.127,31.04 r0 bottom (schematic designator IC1)
dTP38_Q1 "P-MOSFET" SOTFL95P240X88-3N 201.777,36.99 r180 top (schematic designator Q1)
dTP38_Q2 "P-MOSFET" SOTFL95P240X88-3N 198.177,36.99 r0 top (schematic designator Q2)
dTP38_Q3 "NMOS" SOT95P240X110-3N 197.877,32.34 r0 top (schematic designator Q3)
dTP38_Q4 "NMOS" SOT95P240X110-3N 202.127,32.34 r180 top (schematic designator Q4)
dTP38_R5 "2k2" RESC1005X40X25NL05T05 198.127,27.34 r180 bottom (schematic designator R5)
dTP38_R6 "2k2" RESC1005X40X25NL05T05 200.377,27.34 r0 bottom (schematic designator R6)
dTP38_R7 "470R 1%" RESC1005X40X25NL05T05 198.877,34.69 r180 top (schematic designator R7)
dTP38_R8 "470R 1%" RESC1005X40X25NL05T05 201.077,34.69 r0 top (schematic designator R8)
dTP39_IC1 "LM393LVQDRQ1" SOIC127P600X175-8N 205.552,39.053 r0 bottom (schematic designator IC1)
dTP39_Q1 "P-MOSFET" SOTFL95P240X88-3N 207.202,45.003 r180 top (schematic designator Q1)
dTP39_Q2 "P-MOSFET" SOTFL95P240X88-3N 203.602,45.003 r0 top (schematic designator Q2)
dTP39_Q3 "NMOS" SOT95P240X110-3N 203.302,40.353 r0 top (schematic designator Q3)
dTP39_Q4 "NMOS" SOT95P240X110-3N 207.552,40.353 r180 top (schematic designator Q4)
dTP39_R5 "2k2" RESC1005X40X25NL05T05 203.552,35.353 r180 bottom (schematic designator R5)
dTP39_R6 "2k2" RESC1005X40X25NL05T05 205.802,35.353 r0 bottom (schematic designator R6)
dTP39_R7 "470R 1%" RESC1005X40X25NL05T05 204.302,42.703 r180 top (schematic designator R7)
dTP39_R8 "470R 1%" RESC1005X40X25NL05T05 206.502,42.703 r0 top (schematic designator R8)
dTP40_IC1 "LM393LVQDRQ1" SOIC127P600X175-8N 210.693,31.04 r0 bottom (schematic designator IC1)
dTP40_Q1 "P-MOSFET" SOTFL95P240X88-3N 212.343,36.99 r180 top (schematic designator Q1)
dTP40_Q2 "P-MOSFET" SOTFL95P240X88-3N 208.743,36.99 r0 top (schematic designator Q2)
dTP40_Q3 "NMOS" SOT95P240X110-3N 208.443,32.34 r0 top (schematic designator Q3)
dTP40_Q4 "NMOS" SOT95P240X110-3N 212.693,32.34 r180 top (schematic designator Q4)
dTP40_R5 "2k2" RESC1005X40X25NL05T05 208.693,27.34 r180 bottom (schematic designator R5)
dTP40_R6 "2k2" RESC1005X40X25NL05T05 210.943,27.34 r0 bottom (schematic designator R6)
dTP40_R7 "470R 1%" RESC1005X40X25NL05T05 209.443,34.69 r180 top (schematic designator R7)
dTP40_R8 "470R 1%" RESC1005X40X25NL05T05 211.643,34.69 r0 top (schematic designator R8)
IC2 "TLV76701DGNR_LDO" SOP65P490X110-9N 210.246,4.365 r0 top
IC4 "TLV76701DGNR_LDO" SOP65P490X110-9N 209.718,56.396 r90 top
J1 "HARTING 96 PIN 3 rows" 09033966921 68.13,57.445 r180 top
J22 "87833-5019" SHDRRA50W55P200_2X25_5265X640X630P 134.5,7.175 r180 top locked
P1 "5-146280-2" "2.54MM HEADER 3X1" 203.036,3.349 r90 top
P2 "5-146280-2" "2.54MM HEADER 3X1" 197.641,56.396 r90 top
R1 "50k" RESC1005X40X25NL05T05 206.338,1.201 r180 top
R2 "50k" RESC1005X40X25NL05T05 199.747,55.175 r270 top
R9 "220k" RESC1005X40X25NL05T05 208.468,7.159 r0 top
R10 "50k" RESC1005X40X25NL05T05 205.928,3.349 r270 top
R11 "1k" "0603- SMD RESISTOR" 212.278,12.239 r180 top
R15 "120k" RESC1005X40X25NL05T05 206.968,54.646 r90 top
R16 "50k" RESC1005X40X25NL05T05 211.014,51.82 r0 top
R17 "1k" "0603- SMD RESISTOR" 201.734,58.66 r270 top
VR1 "50k_TRIMMER_TC33X-2-503E" TC33X2503E 210.324,4.381 r270 bottom
VR3 "50k_TRIMMER_TC33X-2-503E" TC33X2503E 209.718,56.646 r0 bottom

## Footprints (in the part's own frame and the unit in brackets; to place one, negate y for a bottom-side part, rotate by r counter-clockwise, add the part's x,y. Pads: shape width x height; smd on the part's side, far side on the other; paste and mask are expansions set on the pad)
"2.54MM HEADER 3X1" [mm] "Connector, 2-Leads, Body 4.67x2.34mm, Pitch 2.54mm"
  rect 1.4x1.4 hole 0.89: 1(-1.27,0)
  round 1.4 hole 0.89: 2(1.27,0) 3(3.81,0)
  silkscreen extent -1.39,1.69 -1.15,1.94
"0402 CAP" [mm]
  rect 0.52x0.52 smd paste+0 mask+0: 1(-0.4,0) 2(0.4,0)
  body extent -0.8,-0.4 0.8,0.4, height 0.25
"0603- SMD RESISTOR" [mm]
  rect 0.859x0.912 smd paste+0 mask+0: 1(-0.777,0) 2(0.777,0)
  body extent -1.46,-0.71 1.46,0.71, height 0.25
0603-CAP [mm]
  rect 0.807x0.868 smd paste+0 mask+0: 1(-0.626,0) 2(0.626,0)
  body extent -1.13,-0.58 1.13,0.58, height 0.25
0603_RED_LED [mm]
  rect 0.8x0.8 smd paste+0 mask+0: 1(-0.825,0) 2(0.825,0)
  silkscreen extent -1.92,-0.79 0.85,0.77, body extent -1.33,-0.55 1.33,0.55, height 0.25
0603_TANTAL [mm]
  rect 0.7x0.65 smd paste+0 mask+0: 1(-0.65,0) 2(0.65,0)
  silkscreen extent -0.9,-0.9 1.97,0.9, body extent -1.1,-0.63 1.1,0.63, height 0.25